# Altium PCB cheriot-test.PcbDoc (part 9 of 10)
Units mil, origin at the board's own origin, x right, y up, seen from the top; angles counter-clockwise.
Board outline 4921.26 x 3149.61 mil, 8 copper layers (Top Layer, Int1 (Sign), Int2 (GND), Int3 (Sign), Int4 (Sign), Int5 (PWR), Int6 (Sign), Bottom Layer), stack 60.424 mil thick; 468 components, 516 nets, 2293 pads, 1328 vias.
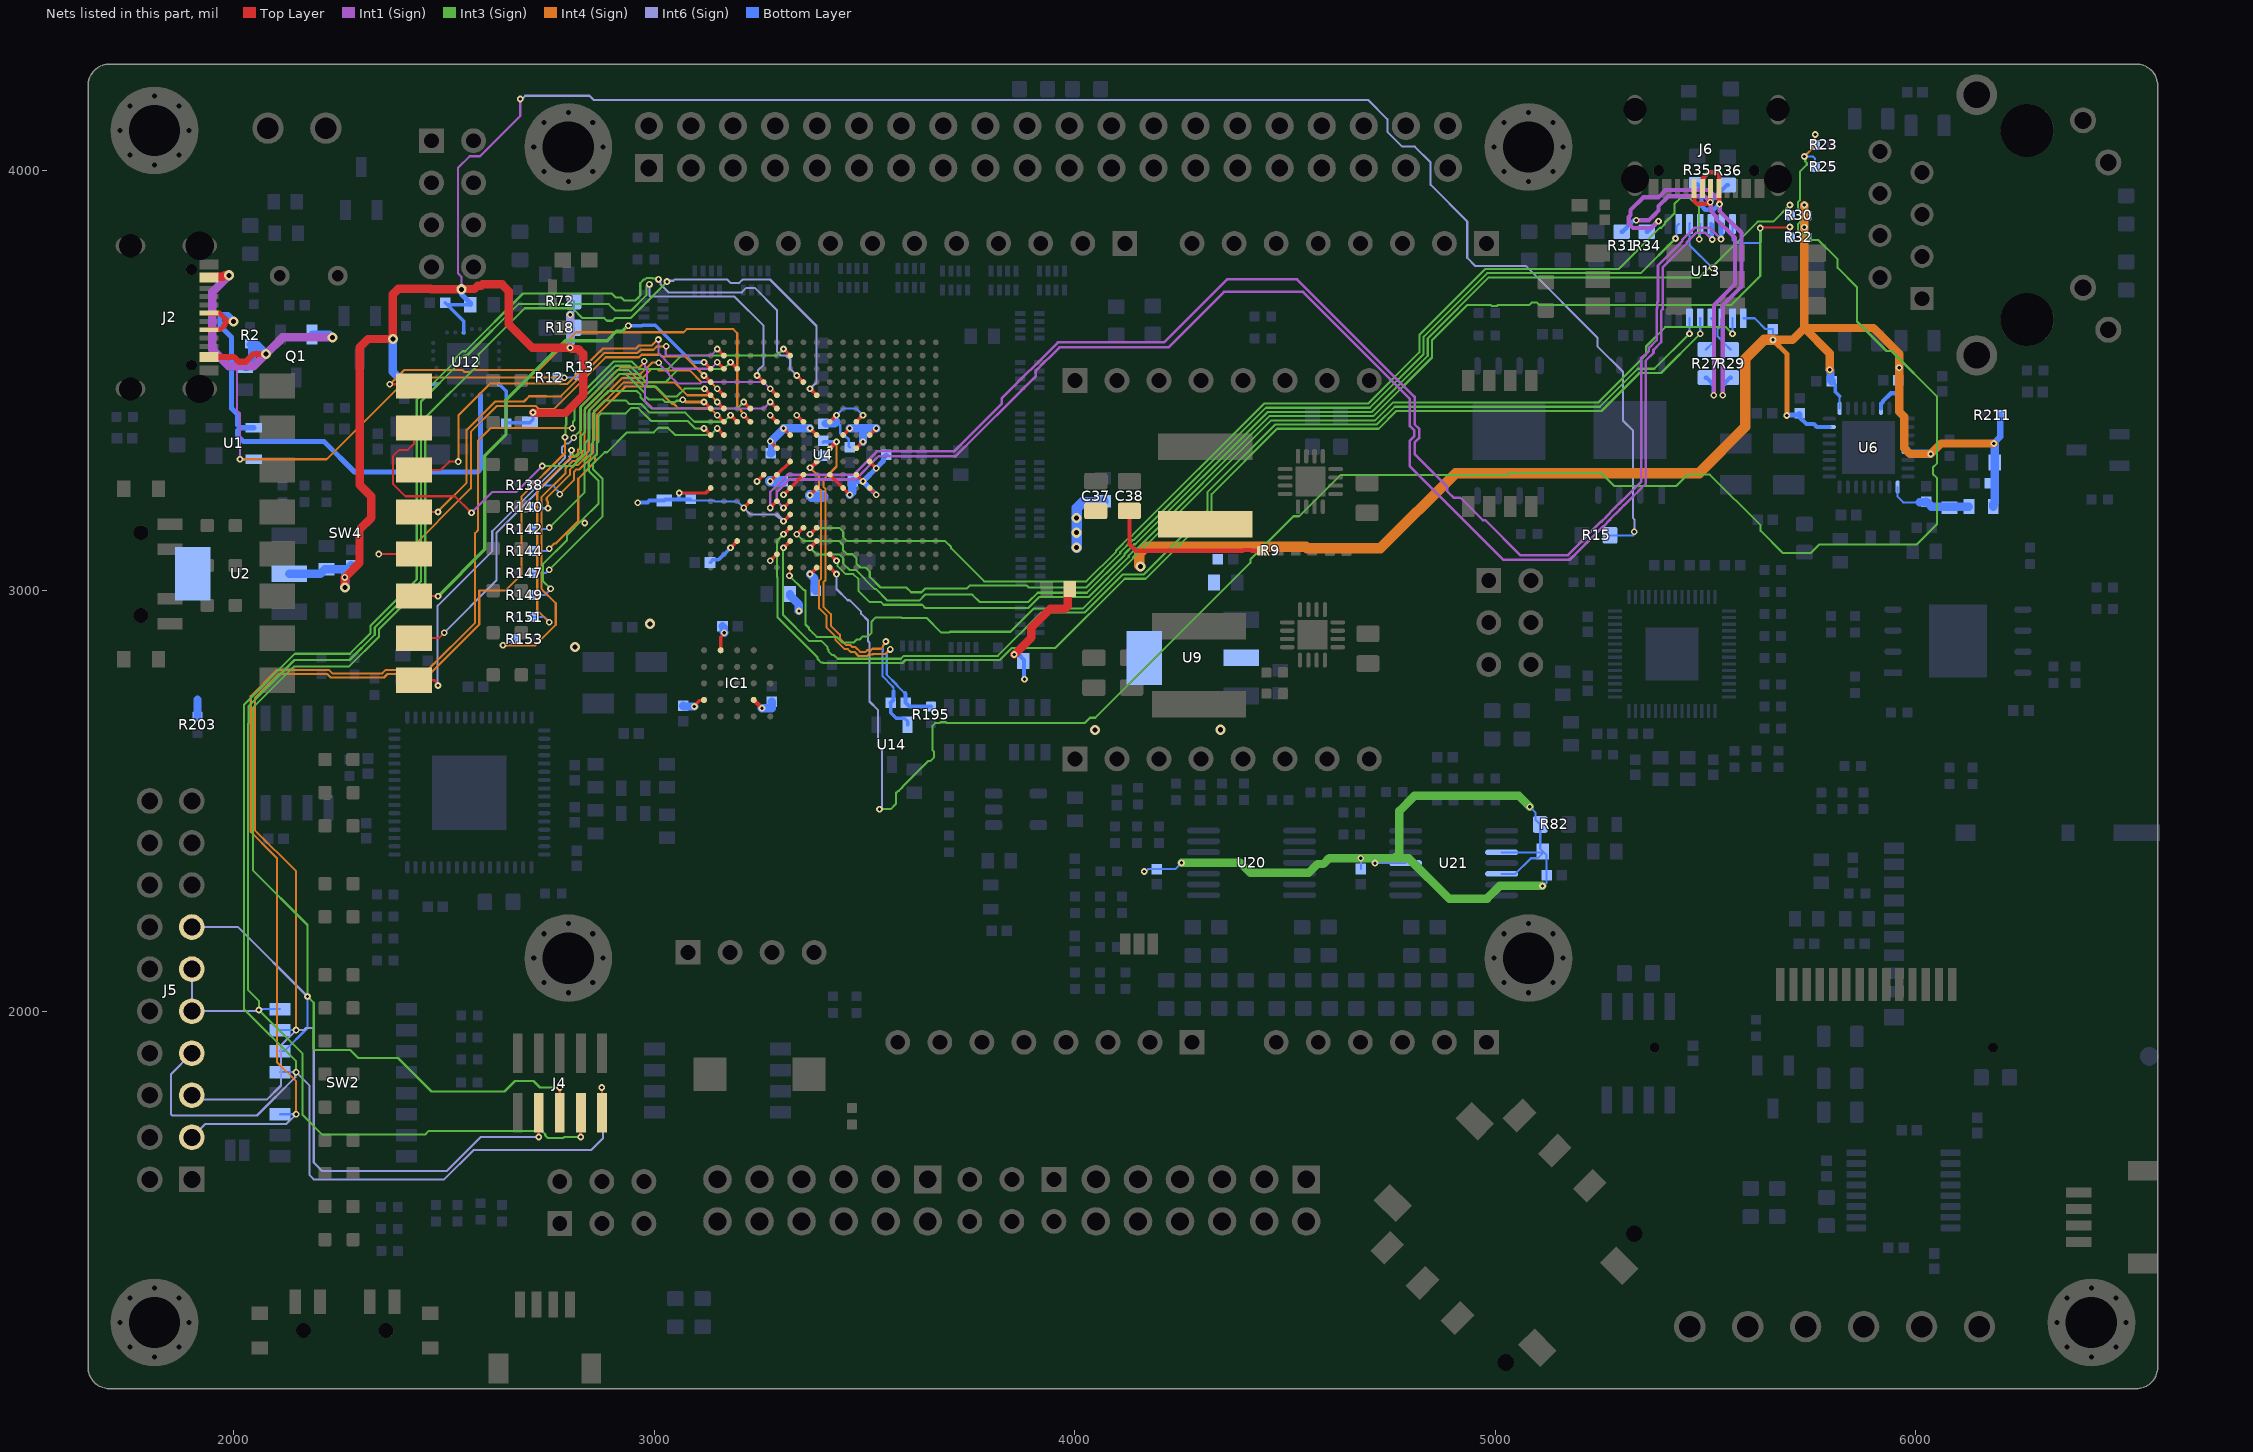
[diagram p15: the nets of this part, all layers, seen from the top]

## Via types
v1: diameter 16, hole 8, Top Layer to Bottom Layer, tented both sides, 1207 vias
v2: diameter 24, hole 12, Top Layer to Bottom Layer, tented both sides, 105 vias
v3: diameter 23.62, hole 11.81, Top Layer to Bottom Layer, tented both sides, 16 vias

## Nets (pads, with @x,y where several pads share a name; then routed paths per layer and width w, separated by ;. In a path a pad name is that pad's centre, name@x,y a point inside that pad or via, vN(x,y) a via of type N, cw(c..) or ccw(c..) an arc to the next point about the centre after c; other vN are vias at no path point) (continued)
USB_P: J2.A6 J2.B6 U1.3 U12.20 | length 1292.2
  Top Layer w12: J2.B6@1941.34,3620.47 1941.43,3620.57 1967.26,3620.57 1978.68,3631.99 1978.68,3637.7 1980.98,3640 ; J2.A6@1941.34,3659.84 1941.43,3659.75 1965.85,3659.75 1980.98,3644.62 1980.98,3640 ; v2(1999.3,3640) 1980.98,3640
  Bottom Layer w12: v2(1999.3,3640) 1999.3,3643.25 1993.3,3649.25 1993.3,3649.62 1986.27,3656.65 1973.52,3656.65 1966.49,3649.62 1966.49,3630.38 1994.3,3602.57 1994.3,3433.56 2009,3418.86 2009,3394.43 2016.03,3387.4 ; U1.3@2047.24,3387.4 2016.03,3387.4 ; U12.20@2587,3464.96 2587,3290.03 2579.26,3282.29 2286.78,3282.29 2214.66,3354.41 2023.28,3354.41 2009,3368.69 2009,3380.37 2016.03,3387.4
USB_VBUS: C1.1 J2.A4-B9 J2.B4-A9 Q1.2 R2.1 R12.2 R13.1 U1.4 | length 2051.2
  Top Layer w15: J2.B4-A9@1937.03,3559.82 J2.B4-A9@1941.34,3555.51 2000.5,3555.51 2011.51,3544.5 2028.49,3544.5 2046.98,3562.99 v2(2076.77,3562.99)
  Top Layer w20: J2.A4-B9@1939.53,3742.68 J2.A4-B9@1941.34,3744.49 1943.15,3746.3 1974.65,3746.3 1978.35,3750 v2(1988.19,3750)
  Int1 (Sign) w5: 2007.87,3533.46 2007.87,3427.86 2014.56,3421.18 v1(2014.56,3312.6)
  Int1 (Sign) w20: v2(1988.19,3750) 1948.82,3710.63 1948.82,3572.83 1988.19,3533.46 2007.87,3533.46 2046.9,3533.46 2076.43,3562.99 v2(2076.77,3562.99) 2116.14,3602.36 v2(2234.25,3602.36)
  Int4 (Sign) w5: v1(2014.56,3312.6) 2220.68,3312.6 2414.69,3506.61 v1(2785.7,3506.61)
  Bottom Layer w5: v1(2014.56,3312.6) 2021.52,3312.6 U1.4@2047.24,3312.6 ; R12.2@2769.68,3506.61 2817.17,3506.61 R13.1@2822,3511.44
  Bottom Layer w20: C1.1@2026.31,3532.56 2030.25,3532.56 2043,3545.31 2043,3582.96 2040.48,3585.49 2053.19,3585.49 2075.69,3562.99 v2(2076.77,3562.99) ; Q1.2@2185.92,3608.98 2226.55,3608.98 2233.17,3602.36 v2(2234.25,3602.36)
USBC_3_D_N: J6.A7 J6.B7 R29.1 R34.1 R35.2 | length 1198.4
  Top Layer w10: J6.A7@5492.13,3956.69 5493.03,3957.6 5493.03,3980.6 5507.43,3995 5525,3995 5531.5,3988.5 J6.B7@5531.5,3956.69 5532.17,3956.02 5532.17,3919.98 v1(5532.85,3919.3)
  Int1 (Sign) w10: v1(5387.92,3878.6) 5387.01,3878.6 5371.2,3862.79 5327.01,3862.79 5316.87,3872.93 5316.87,3888.57 5321.15,3892.85 5321.15,3904.82 5351.72,3935.39 5387.56,3935.39 5405.18,3953 5507.44,3953 5531.7,3928.73 5531.7,3920.45 v1(5532.85,3919.3) 5533.3,3918.85 5533.3,3902.91 5585,3851.21 5585,3722.93 5540.5,3678.43 v1(5540.5,3465)
  Bottom Layer w10: R34.1@5360,3853.46 5361.97,3853.46 5387.1,3878.6 v1(5387.92,3878.6) ; R35.2@5480,3966.54 5490.26,3956.28 5490.26,3914.74 5499.17,3905.83 5518.61,3905.83 5532.09,3919.3 v1(5532.85,3919.3) ; v1(5540.5,3465) 5541.46,3465.96 5541.46,3488 5545.31,3491.85 5545.31,3493.82 5558.03,3506.54 R29.1@5560,3506.54
USBC_3_D_P: J6.A6 J6.B6 R27.1 R31.1 R36.2 | length 981.9
  Top Layer w10: J6.B6@5472.44,3956.69 5473.35,3955.79 5473.35,3925.86 5479.2,3920 5505.7,3920 5509.53,3923.83 v1(5511.15,3923.83) ; v1@5511.48,3920.33 5511.48,3956.36 J6.A6@5511.81,3956.69
  Int1 (Sign) w10: v1(5334.87,3881.11) 5364.98,3881.11 5375.25,3891.39 5388.14,3904.27 5388.14,3914.75 5411.39,3938 5496.98,3938 v1(5511.15,3923.83) 5512.3,3922.68 5512.3,3902.7 5525,3890 5525,3884.14 5570,3839.14 5570,3729.14 5519.5,3678.64 v1(5519.5,3465)
  Bottom Layer w10: R31.1@5300,3853.46 5301.97,3853.46 5328.5,3880 5333.75,3880 v1(5334.87,3881.11) ; R27.1@5500,3506.54 5501.97,3506.54 5514.69,3493.82 5514.69,3491.85 5518.54,3488 5518.54,3465.96 v1(5519.5,3465) ; v1(5511.15,3923.83) 5511.15,3925.03 5550.85,3964.72 R36.2@5552.82,3964.72
USBC_F_D_N: R29.2 U13.11 | length 92.4
  Bottom Layer w5: U13.11@5538.39,3647.8 5538.39,3632.05 5528.09,3621.75 5528.09,3605.37 5544.01,3589.46 5544.01,3588.53 5559.08,3573.46 R29.2@5560,3573.46
USBC_F_D_P: R27.2 U13.12 | length 84.6
  Bottom Layer w5: R27.2@5500,3573.46 5500.92,3573.46 5515.99,3588.53 5515.99,3589.46 5518.09,3591.56 5518.09,3642.5 U13.12@5512.8,3647.8
USR_JTAG_TCK: J4.4 J5.9 J5.11 SW2.16 U4.E15 | length 4210.5
  Top Layer w5: v1(2825,1700.85) J4.4@2825,1758.27
  Top Layer w8: v1(3244.09,3511.81) U4.E15@3259.84,3496.06
  Int3 (Sign) w5: v1(2825,1700.85) 2785.89,1700.85 2783.06,1698.02 2746.92,1698.02 2740.5,1704.44 2740.5,1707.27 2731.42,1716.35 2718.58,1716.35 2717.73,1715.5 2463.58,1715.5 2454.5,1706.42 2210.12,1706.42 2163.5,1753.04 2163.5,1898.9 v1(2059.5,2002.9) 2059.5,2024.5 2034,2050 2034,2684 2035,2685 2035,2725.87 2144.13,2835 2275.06,2835 2335,2894.94 2335,2912.43 2445,3022.43 2445,3450 2536.09,3541.09 2536.09,3547.92 2547.51,3559.34 2554.34,3559.34 2676.51,3681.51 2891.59,3681.51 2906.81,3666.29 2945.06,3666.29 2981.06,3702.29 v1@2981.06,3725.15
  Int6 (Sign) w5: J5.11@1900,2100 J5.9@1900,2000 v1@2053.63,2000 ; v1(2988.19,3728.35) 2988.19,3701.23 2989.92,3699.5 3190.26,3699.5 3259.84,3629.92 3259.84,3537.13 3246.2,3523.49 3246.2,3513.92 v1(3244.09,3511.81)
  Bottom Layer w5: v1(2059.5,2002.9) 2061.6,2005 SW2.16@2110,2005
USR_JTAG_TDI: J4.8 J5.5 SW2.15 U4.G17 | length 4102.4
  Top Layer w5: v1(2725,1700.85) J4.8@2725,1758.27
  Top Layer w8: v1(3307.09,3574.8) U4.G17@3322.83,3559.06
  Int3 (Sign) w5: v1(2787.53,3365.05) 2788.53,3366.05 2788.53,3392.49 2790.5,3394.46 2790.5,3432.07 2903.4,3544.97 2946.24,3544.97 2963.9,3527.31 3006.42,3527.31 3007.02,3526.71 3031.71,3526.71 3063.81,3558.81 3291.09,3558.81 v1(3307.09,3574.8)
  Int4 (Sign) w5: v1(2148,1955) 2148,2332.59 2050,2430.59 2050,2745 2106.75,2801.75 2221.8,2801.75 2230.16,2793.4 2357.02,2793.4 2365.37,2801.75 2465.89,2801.75 2583.63,2919.49 2583.63,3000 2645,3000 2684.22,3039.22 2684.22,3224.22 2787.53,3327.53 v1(2787.53,3365.05)
  Int6 (Sign) w5: J5.5@1900,1800 1910.5,1789.5 2078.42,1789.5 2112.16,1823.24 2112.16,1919.16 v1(2148,1955) 2166.52,1955 2171.52,1960 2187.07,1960 2190,1957.07 2190,1640 2210,1620 2505.86,1620 2586.71,1700.85 v1(2725,1700.85)
  Bottom Layer w5: SW2.15@2110,1955 v1(2148,1955)
USR_JTAG_TDO: J4.6 J5.13 SW2.14 U4.J14 | length 4352.8
  Top Layer w5: J4.6@2775,1758.27 v1(2775,1818.51)
  Top Layer w8: v1(3370.08,3480.32) U4.J14@3385.83,3464.57
  Int3 (Sign) w5: v1(2775,1818.51) 2728.05,1818.51 2712.55,1834.01 2668.58,1834.01 2643.57,1809 2469.92,1809 2390.42,1888.5 2296.03,1888.5 2276.99,1907.54 2192.93,1907.54 2190,1910.47 2190,2020 v1(2175,2035) 2175,2205 2045,2335 2045,2721.72 2143.28,2820 2274.2,2820 2345,2890.8 2345,2908.28 2455,3018.28 2455,3411.67 2582.16,3538.84 2582.16,3562.16 2691.51,3671.51 2805.92,3671.51 2829.21,3648.22 2881.04,3648.22 2887.28,3641.98 2900.12,3641.98 2906.36,3648.22 2943.22,3648.22 v1(3030,3735)
  Int6 (Sign) w5: J5.13@1900,2200 2010,2200 v1(2175,2035) ; v1(3030,3735) 3032.1,3737.1 3045.1,3737.1 3048,3740 3173.18,3740 3180.73,3732.46 3181.1,3732.12 3202.23,3732.12 3210.1,3740 3275,3740 3385.58,3629.42 3385.58,3495.82 v1(3370.08,3480.32)
  Bottom Layer w5: SW2.14@2110,1905 2120.04,1905 2175,1959.96 v1(2175,2035)
USR_JTAG_TMS: J4.2 J5.7 SW2.13 U4.H15 | length 4891.3
  Top Layer w5: J4.2@2875,1758.27 v1(2875,1818.51)
  Top Layer w8: v1(3338.58,3511.81) U4.H15@3354.33,3496.06
  Int3 (Sign) w5: v1(2148,1855) 2148,1881 2024,2005 2024,2729.01 2144.99,2850 2275.92,2850 2325,2899.08 2325,2916.57 2435,3026.57 2435,3454.14 2526.09,3545.23 2526.09,3552.06 2543.37,3569.34 2550.2,3569.34 2687.46,3706.61 2898.38,3706.61 2907.69,3697.29 2920.89,3697.29 2927.72,3690.46 2955.08,3690.46 2966.49,3701.87 2966.49,3731.49 2975.18,3740.18 2978.1,3740.18 2981.77,3743.85 2994.61,3743.85 2996.19,3742.26 3007.54,3742.26 v1(3009.64,3740.16)
  Int6 (Sign) w5: J5.7@1900,1900 1850.39,1850.39 1850.39,1754.9 1853.32,1751.97 2055.03,1751.97 2145.9,1842.83 2145.9,1852.9 v1(2148,1855) 2180,1823 2180,1610 2190,1600 2500,1600 2570,1670 2850,1670 2877.93,1697.93 2877.93,1755.27 2875,1758.2 v1(2875,1818.51) ; v1(3009.64,3740.16) 3009.64,3737.18 3014.5,3732.32 3014.5,3728.58 3033.58,3709.5 3207.89,3709.5 3218.39,3720 3238.45,3720 3291.59,3666.86 3291.59,3635.93 3291.59,3568.38 3300.67,3559.3 3313.01,3559.3 3323.08,3549.23 3323.08,3527.31 v1(3338.58,3511.81)
  Bottom Layer w5: SW2.13@2110,1855 v1(2148,1855)
USR_JTAG_TRST: J5.3 SW2.11 U4.C16 | length 3155.3
  Top Layer w8: v1(3181.1,3543.31) U4.C16@3196.85,3527.56
  Int3 (Sign) w5: v1(2804.5,3386.54) 2806.6,3388.64 2806.6,3401.45 2809.69,3404.54 2809.69,3437.12 2832.5,3459.93 2907.54,3534.97 2942.1,3534.97 2980.76,3496.31 3027.21,3496.31 3058.21,3527.31 3165.11,3527.31 v1(3181.1,3543.31)
  Int4 (Sign) w5: v1(2148,1755) 2148,1833.08 2102.61,1878.47 2102.61,2363.84 2092.61,2373.84 2040,2426.45 2040,2749.14 2102.61,2811.75 2225.95,2811.75 2234.3,2803.4 2352.88,2803.4 2361.23,2811.75 2461.75,2811.75 2573.63,2923.63 2573.63,3136.81 2580.5,3143.69 2580.5,3356.87 2610.17,3386.54 v1(2804.5,3386.54)
  Int6 (Sign) w5: J5.3@1900,1700 1931.81,1731.81 2124.81,1731.81 v1(2148,1755)
  Bottom Layer w5: SW2.11@2110,1755 v1(2148,1755)
USRLED0: R138.1 U4.B13 | length 674.1
  Top Layer w8: v1(3149.61,3448.82) U4.B13@3165.35,3433.07
  Int4 (Sign) w5: v1(2774.68,3229.47) 2809,3263.8 2809,3283.14 2814.37,3288.51 2821.88,3288.51 2848.53,3315.17 2848.53,3322.67 2854,3328.14 2854,3422.28 2927.22,3495.5 3047.79,3495.5 3078.47,3464.82 3133.61,3464.82 v1(3149.61,3448.82)
  Bottom Layer w5: R138.1@2710.02,3251.13 2739.31,3251.13 2740.44,3250 2759.11,3250 2765.5,3243.61 2765.5,3241.62 2774.68,3232.45 v1(2774.68,3229.47)
USRLED1: R140.1 U4.B14 | length 704.6
  Top Layer w8: v1(3149.61,3480.31) U4.B14@3165.35,3464.57
  Int4 (Sign) w5: v1(2746.87,3195.99) 2746.5,3196.36 2746.5,3211.49 2744,3213.99 2744,3220.72 2799,3275.72 2799,3287.28 2810.23,3298.51 2817.73,3298.51 2838.53,3319.31 2838.53,3326.81 2844,3332.28 2844,3426.43 2923.07,3505.5 2971.77,3505.5 2993.58,3527.31 3006.42,3527.31 3009.73,3524 3084,3524 3111.69,3496.31 3133.61,3496.31 v1(3149.61,3480.31)
  Bottom Layer w5: R140.1@2710.02,3198.81 2712.84,3195.99 v1(2746.87,3195.99)
USRLED2: R142.1 U4.C12 | length 748
  Top Layer w8: v1(3181.1,3417.32) U4.C12@3196.85,3401.57
  Int3 (Sign) w5: v1(2750,3150) 2834,3234 2834,3309.7 2850,3325.7 2850,3347.93 2853.64,3351.57 2853.64,3355.21 2857.07,3358.64 2857.07,3427.93 2881.84,3452.7 2931.92,3452.7 2940.64,3443.98 2968.68,3443.98 2989.34,3423.32 3073.37,3423.32 3095.12,3401.58 3165.35,3401.58 v1(3181.1,3417.32)
  Bottom Layer w5: R142.1@2710.02,3146.49 2746.49,3146.49 v1(2750,3150)
USRLED3: R144.1 U4.B12 | length 773.1
  Top Layer w8: v1(3149.61,3417.32) U4.B12@3165.35,3401.57
  Int4 (Sign) w5: v1(2750,3100) 2762.5,3112.5 2765.92,3112.5 2819,3165.58 2819,3266.42 2858.53,3305.95 2858.53,3318.53 2864,3324 2864,3418.14 2931.36,3485.5 3000.78,3485.5 3042.3,3443.98 3046.63,3443.98 3056.63,3433.98 3093.68,3433.98 3094.83,3432.82 3134.11,3432.82 v1(3149.61,3417.32)
  Bottom Layer w5: R144.1@2710.65,3094.17 2744.17,3094.17 v1(2750,3100)
USRLED4: R147.1 U4.B11 | length 723.9
  Top Layer w8: v1(3149.61,3385.83) U4.B11@3165.35,3370.08
  Int3 (Sign) w5: v1(2750,3050) 2877.07,3177.07 2877.07,3265.51 2854,3288.58 2854,3301.42 2881.73,3329.15 2887.73,3329.15 2934.97,3376.39 2998.48,3376.39 3009.42,3387.33 3032.18,3387.33 3049.19,3370.33 3134.11,3370.33 v1(3149.61,3385.83)
  Bottom Layer w5: R147.1@2710.02,3041.86 2741.86,3041.86 v1(2750,3050)
USRLED5: R149.1 U4.A11 | length 854.3
  Top Layer w8: v1(3118.11,3385.83) U4.A11@3133.86,3370.08
  Int3 (Sign) w5: v1(2753.11,3004.27) 2734.5,3022.89 2734.5,3062.58 2792.16,3120.24 2792.16,3132.16 2830,3170 ; v1(2834.5,3160.98) 2834.5,3163.95 2830,3168.45 2830,3170 ; v1(3118.11,3385.83) 3096.72,3385.83 3078.72,3403.83 2992.07,3403.83 2961.93,3433.98 2944.2,3433.98 2931.92,3421.7 2873.77,3421.7 2867.07,3415 2867.07,3354.5 2863.64,3351.07 2863.64,3325.2 2844,3305.56 2844,3284.44 2867.07,3261.37 2867.07,3207.07 2830,3170
  Bottom Layer w5: R149.1@2710.02,2989.54 2739.54,2989.54 2753.11,3003.11 v1(2753.11,3004.27)
USRLED6: R151.1 U4.F13 | length 1246.3
  Top Layer w8: v1(3275.59,3448.82) U4.F13@3291.34,3433.07
  Int1 (Sign) w5: v1(2975.69,3545.48) 2977.79,3543.38 2977.79,3531.82 2982.13,3527.48 2982.13,3491.13 2977.37,3486.37 2977.37,3451.71 2996.01,3433.07 3259.84,3433.07 v1(3275.59,3448.82)
  Int4 (Sign) w5: v1(2750,2925) 2721.37,2953.63 2721.37,3237.94 2801.94,3318.51 2809.45,3318.51 2818.53,3327.59 2818.53,3335.1 2824,3340.57 2824,3434.71 2920.29,3531 2964.71,3531 2968.25,3534.54 2968.25,3535.06 2975.69,3542.5 v1(2975.69,3545.48)
  Bottom Layer w5: R151.1@2710.02,2937.22 2737.78,2937.22 v1(2750,2925)
USRLED7: R153.1 U4.F14 | length 1296.7
  Top Layer w8: v1(3275.59,3480.31) U4.F14@3291.34,3464.57
  Int1 (Sign) w5: v1(3010.68,3542.21) 3010.68,3540.32 3034.5,3516.5 3034.5,3513.39 3054.89,3493 3110.08,3493 3113.14,3496.06 3259.84,3496.06 v1(3275.59,3480.31)
  Int4 (Sign) w5: v1(2640,2870) 2716.92,2870 2765.5,2918.58 2765.5,2969.97 2731.37,3004.1 2731.37,3222.23 2789,3279.86 2789,3291.43 2806.09,3308.51 2813.59,3308.51 2828.53,3323.45 2828.53,3330.96 2834,3336.43 2834,3430.57 2918.93,3515.5 2967.63,3515.5 2994.34,3542.21 v1(3010.68,3542.21)
  Bottom Layer w5: v1(2640,2870) 2642.98,2870 2650.94,2877.96 2663.7,2877.96 R153.1@2670.65,2884.91
USRSW0: SW4.16 U4.D12 | length 1170.4
  Top Layer w5: v1(2370.93,3490.81) 2424.39,3490.81 SW4.16@2428.2,3487
  Top Layer w8: v1(3212.6,3417.32) U4.D12@3228.35,3401.57
  Int4 (Sign) w5: v1(2370.93,3490.81) 2371.27,3490.81 2405.11,3524.65 2543.21,3524.65 2547.51,3520.34 2563.67,3520.34 2567.98,3524.65 2724.73,3524.65 2814.51,3614.43 3069.43,3614.43 3076.8,3621.8 3187.52,3621.8 3197.1,3612.22 3197.1,3437.39 3206.6,3427.89 3206.6,3426.3 3212.6,3420.3 v1(3212.6,3417.32)
USRSW1: SW4.15 U4.D13 | length 1254.4
  Top Layer w5: SW4.15@2428.2,3387 2428.2,3349.58 2413.42,3334.8 2392.95,3334.8 2378.18,3320.03 2378.18,3253.97 2407.73,3224.42 2525.58,3224.42 v1(2565,3185)
  Top Layer w8: v1(3212.6,3448.82) U4.D13@3228.35,3433.07
  Int1 (Sign) w5: v1(2565,3185) 2614.5,3234.5 2671.48,3234.5 v1(2733.49,3296.51)
  Int3 (Sign) w5: v1(2733.49,3296.51) 2733.66,3296.34 2806.5,3296.34 2835,3324.85 2835,3350.71 2845,3360.71 2845,3430 2889.98,3474.98 2958.21,3474.98 2967.37,3465.82 2967.37,3459.44 2993.49,3433.32 3197.1,3433.32 v1(3212.6,3448.82)
USRSW2: SW4.14 U4.B16 | length 992.7
  Top Layer w5: SW4.14@2428.2,3287 2491.75,3287 2511.75,3307 v1(2533.71,3307)
  Top Layer w8: v1(3149.61,3543.31) U4.B16@3165.35,3527.56
  Int1 (Sign) w5: v1(3009.59,3597.16) 3009.59,3564.38 3016.26,3557.71 3017.1,3557.71 3026.18,3548.63 3026.18,3547.79 3046.17,3527.81 3134.11,3527.81 v1(3149.61,3543.31)
  Int4 (Sign) w5: v1(2533.71,3307) 2533.71,3416.42 2610.39,3493.1 2773.81,3493.1 2775.79,3491.11 2792.12,3491.11 2876.84,3575.84 2955.84,3575.84 2962.93,3582.93 2994.04,3582.93 3008.28,3597.16 v1(3009.59,3597.16)
USRSW3: SW4.13 U4.B17 | length 1010.4
  Top Layer w5: SW4.13@2428.2,3187 v1(2485.5,3187)
  Top Layer w8: v1(3149.61,3574.8) U4.B17@3165.35,3559.06
  Int1 (Sign) w5: v1(3028.5,3581) 3026.97,3579.47 3026.97,3561.98 3029.9,3559.06 3133.86,3559.06 v1(3149.61,3574.8)
  Int4 (Sign) w5: v1(2485.5,3187) 2485.5,3188.78 2553.63,3256.91 2553.63,3382.19 2621.44,3450 2689.88,3450 2702.25,3462.37 2743.08,3462.37 2743.35,3462.1 2777.24,3462.1 2880.15,3565 2959.14,3565 2967.07,3572.93 2998.19,3572.93 3006.26,3581 v1(3028.5,3581)
USRSW4: SW4.12 U4.A15 | length 1181.7
  Top Layer w5: v1(2344.5,3087) SW4.12@2428.2,3087
  Top Layer w8: v1(3118.11,3511.81) U4.A15@3133.86,3496.06
  Int4 (Sign) w5: v1(2344.5,3087) 2407.42,3087 2563.63,3243.21 2563.63,3378.05 2624.78,3439.2 2717.66,3439.2 2725.49,3431.37 2760.65,3431.37 2884.29,3555 2963.29,3555 2969.27,3560.98 3013.84,3560.98 3017.76,3557.06 3072.86,3557.06 v1(3118.11,3511.81)
USRSW5: SW4.11 U4.A16 | length 1194.1
  Top Layer w5: SW4.11@2428.2,2987 v1(2485.5,2987)
  Top Layer w8: v1(3118.11,3543.31) U4.A16@3133.86,3527.56
  Int3 (Sign) w8: v1(2485.5,2987) 2596.5,3098 2596.5,3320.81 2647,3371.31 2647,3453.08 2788.42,3594.5 2887.5,3594.5 2909.84,3616.84 2923.08,3616.84 2936.17,3629.93 v1(2938.27,3629.93)
  Bottom Layer w8: v1(2938.27,3629.93) 2970.4,3629.93 2972.03,3631.55 3001.99,3631.55 3090.23,3543.31 v1(3118.11,3543.31)
USRSW6: SW4.10 U4.A13 | length 1159.8
  Top Layer w5: SW4.10@2428.2,2887 2487,2887 v1(2500,2900)
  Top Layer w8: v1(3118.11,3448.82) U4.A13@3133.86,3433.07
  Int3 (Sign) w5: v1(2803.03,3334.01) 2805.13,3331.91 2805.13,3324.4 2810.7,3318.83 2814.84,3318.83 2825,3328.99 2825,3367.02 2835,3377.02 2835,3434.14 2915.83,3514.97 2932.36,3514.97 2977.37,3469.96 2977.37,3463.58 2986.45,3454.5 3019.8,3454.5 3025.48,3448.82 3049.57,3448.82 3052.44,3451.69 3065.47,3451.69 v1(3067.57,3453.8)
  Int4 (Sign) w8: v1(3067.57,3453.8) 3069.74,3453.8 3074.71,3448.82 v1(3118.11,3448.82)
  Int6 (Sign) w5: v1(2500,2900) 2624.5,3024.5 2624.5,3137.31 2783.5,3296.31 2783.5,3297.81 2792.58,3306.89 2794.08,3306.89 2799.91,3312.73 2799.91,3316.87 2797.63,3319.16 2800.92,3322.45 2800.92,3331.91 v1(2803.03,3334.01)
USRSW7: SW4.9 U4.A14 | length 1265.7
  Top Layer w5: SW4.9@2428.2,2787 2477.49,2787 2478.22,2786.27 2478.22,2784.76 2485.5,2777.48 v1(2485.5,2774.5)
  Top Layer w8: v1(3119.32,3480.32) 3119.32,3479.71 3133.86,3465.17 U4.A14@3133.86,3464.57
  Int3 (Sign) w5: v1(2808.5,3363.94) 2808.5,3364.66 2825,3381.16 2825,3438.28 2911.69,3524.97 2937.58,3524.97 2977.05,3485.5 3002.94,3485.5 3026.44,3462 3053.86,3462 3072.17,3480.32 v1(3119.32,3480.32)
  Int6 (Sign) w5: v1(2485.5,2774.5) 2484.5,2775.5 2484.5,2964.08 2614.5,3094.08 2614.5,3141.45 2773.5,3300.45 2773.5,3301.95 2787.51,3315.96 2787.51,3320.11 2780.02,3327.59 2780.02,3340.43 2789.14,3349.55 2795.11,3349.55 2808.5,3362.94 v1(2808.5,3363.94)
USRUSB_OE: R30.1 U4.J3 U13.3 | length 2996
  Top Layer w8: v1(3370.08,3102.36) U4.J3@3385.83,3118.11
  Int3 (Sign) w5: v1(3370.08,3102.36) 3370.08,3101.87 3385.58,3086.37 3439.49,3086.37 3449.07,3076.79 3449.07,3064.45 3464.05,3049.46 3478.47,3049.46 3524.29,3003.64 3527.23,3003.64 3554.47,2976.39 3629.47,2976.39 3643.58,2990.5 3756.01,2990.5 3773.6,2972.91 3889.24,2972.91 3911.33,2995 4028.43,2995 4117.98,3084.55 4117.98,3087.23 4141.12,3110.37 4143.8,3110.37 4458.43,3425 4705.65,3425 4839.19,3558.54 4839.19,3599.75 4984.44,3745 5485.16,3745 5511.81,3771.65 5517.45,3771.65 5623.5,3877.7 5660.89,3877.7 v1(5700.32,3917.13)
  Bottom Layer w5: U13.3@5463.09,3873.68 U13.3@5461.61,3872.2 5461.61,3821.85 v1(5515.75,3767.72) ; R30.1@5700.31,3892.32 5700.31,3910.16 v1(5700.32,3917.13)
USRUSB_RCV: U4.J4 U13.4 | length 2745.4
  Top Layer w8: v1(3370.08,3133.86) U4.J4@3385.83,3149.61
  Int3 (Sign) w5: v1(3370.08,3133.86) 3385.58,3149.36 3439.49,3149.36 3449.07,3139.78 3449.07,3127.44 3458.64,3117.86 3691.46,3117.86 3705.54,3103.78 3705.54,3100.94 3784.31,3022.17 4027.32,3022.17 4097.98,3092.83 4097.98,3095.51 4132.83,3130.37 4135.51,3130.37 4450.15,3445 4697.36,3445 4819.19,3566.82 4819.19,3608.03 4976.16,3765 5293,3765 5391.1,3863.1 5394.34,3863.1 5403.42,3872.18 5403.42,3875.42 5425.93,3897.93 5425.93,3919.85 5439.58,3933.5 5462.44,3933.5 5484.5,3911.44 v1(5484.5,3835.58)